# KiCad board video-v10.kicad_pcb (continued)
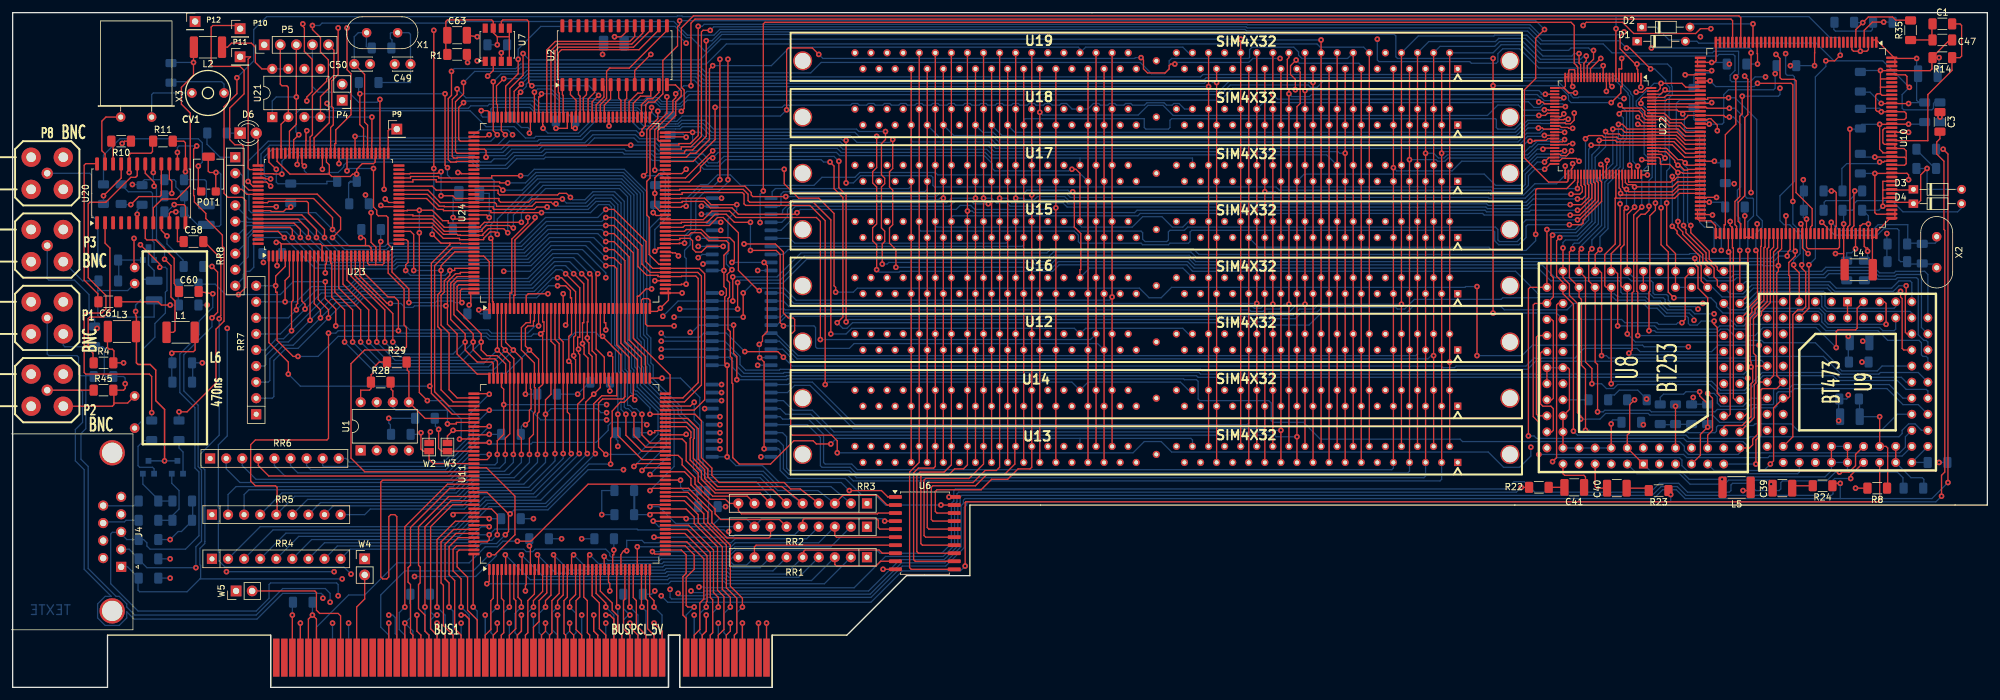
[diagram p0: board, top side]
## Routing (per net, layer and track width the routed paths; a pad name or vN(x,y) marks a point on that pad's centre or on a via; arc(x,y) is an arc through that point) (continued)
GND: length 760.4
  top_copper w0.2: 48.95,68.33 48.9,68.45 48.9,69.85 ; v1(93.73,56.51) 93.73,57.66 93.5,57.66 93.5,59.44 ; 290.63,102.36 290.63,100.84 290.88,100.58 292.99,100.58 293.24,100.84 293.24,102.36 293.22,102.36 ; v1(246.51,95) 246.38,95.12 246.38,96.47 ; v1(44.2,11.43) BUS1.B3 44.2,2.03 ; 266.24,83.18 268.9,83.18 v1(268.91,83.19) ; v1(106.43,26.67) 106.43,26.92 103.58,26.92 ; v1(94.36,15.24) 94.36,16.43 94.16,16.64 94.16,18.16 ; v1(291.21,31.5) 292.99,31.5 ; v1(101.35,10.16) 102.62,8.89 BUS1.B49 102.62,2.03 ; 22.23,82.93 v1(22.23,81.41) ; 48.95,84.33 v1(48.95,81.91) ; 112.78,2.03 BUS1.B57 112.78,8.25 113.41,8.89 v1(113.41,10.16) ; 42.44,70.1 42.19,70.36 v1(41.66,70.36) ; 42.44,70.1 42.44,68.33 ; 42.44,70.1 48.64,70.1 48.9,69.85 ; 77.22,98.93 v1(77.22,100.33) ; v1(251.97,83.31) 251.97,82.68 251.84,82.56 251.84,81.03 ; POT1.1 32.1,81.37 v1(32.13,81.41) 31.12,81.41 30.91,81.61 30.91,83.82 ; 299.21,83.57 298.96,83.82 297.81,83.82 297.43,83.85 v1(294.26,83.85) ; 299.21,83.57 299.21,82.8 298.96,82.55 297.43,82.55 ; 299.21,83.57 299.21,84.84 298.85,85.19 297.43,85.19 297.43,85.85 295.78,85.85 295.53,86.11 295.53,88.14 295.78,88.39 297.43,88.39 ; v1(17.78,48.01) 17.78,47.24 17.53,46.99 16,46.99 16,44.96 ; 72.39,68.2 74.42,68.2 75.31,67.31 75.31,59.44 ; v1(252.73,95) 252.33,95.39 U22.11 ; v1(104.52,57.15) 100.32,57.15 100,57.47 100,59.44 ; 16,44.96 18.17,44.96 L6.3 ; 16,44.96 16,44.7 15.75,44.45 P2.2 ; v1(25.78,75.18) 25.02,75.18 24.76,74.93 24.76,73.28 ; v1(41.66,81.91) 40.49,83.06 40.49,84.33 ; v1(75.31,87.38) 74.73,87.05 72.39,87.05 ; 81.15,18.16 81.15,16.26 81.03,16.13 v1(81.03,15.24) ; 295.53,77.34 295.53,78.64 ; 295.53,77.34 v1(295.53,76.07) 296.42,76.07 297.43,76.05 ; 295.53,77.34 297.43,77.34 ; 295.53,78.64 300.23,78.64 300.23,78.61 D3.1 ; 295.53,78.64 295.53,80.01 296.67,80.01 ; 75.95,2.03 BUS1.B28 75.95,8.25 76.58,8.89 v1(76.58,10.16) ; 103.53,75.31 102.24,75.31 101.47,76.07 v1(101.47,78.1) 101.47,80.56 102.15,81.23 105.75,81.23 v1(106.43,81.91) ; v1(137.54,18.67) 139.32,18.67 ; v1(95.11,102.87) 96.18,102.87 97.03,103.72 97.03,104.65 ; v1(269.37,88.01) 269.37,88.9 268.35,89.92 267.97,89.92 267.84,89.79 267.59,89.79 267.59,89.69 266.24,89.69 ; v1(84.2,10.16) 84.2,8.89 83.57,8.25 BUS1.B34 83.57,2.03 ; v1(81.03,41.53) 81.66,42.16 81.66,43.81 81.91,44.07 81.91,47.12 81.81,47.22 81.81,49.35 ; v1(106.43,40) 106.43,39.93 103.58,39.93 ; 243.59,88.77 244.48,88.77 244.72,88.53 245.74,88.53 245.88,88.39 v1(246.51,88.39) ; v1(54.99,71.12) 55.5,71.12 55.75,70.87 55.75,69.85 ; 297.43,96.19 295.15,96.19 ; 295.15,96.19 295.15,94.89 ; 295.15,96.19 295.15,97.51 ; 55.75,69.85 56.26,69.85 56.64,69.47 56.64,68.45 56.74,68.33 ; 55.75,69.85 48.9,69.85 ; 291.92,71.17 291.92,73.02 292.1,73.02 292.35,73.28 v1(293.24,73.28) 293.24,71.25 ; 295.15,97.51 v1(295.15,97.54) ; 295.15,97.51 303.02,97.51 303.28,97.76 303.28,99.57 ; 291.92,102.36 291.92,100.58 ; 243.59,83.26 244.48,83.26 244.84,83.63 247.08,83.63 v1(247.53,83.19) ; v1(105.21,68.22) 104.73,68.69 104.26,68.69 104.2,68.75 103.23,68.75 ; 88.65,2.03 BUS1.B38 88.65,8.25 88.01,8.89 v1(88.01,10.16) ; v1(81.66,87.63) 81.81,87.63 81.81,90.63 ; 60.96,76.66 59.44,76.66 v1(58.88,77.22) ; v1(70.36,81.41) 70.74,81.41 70.87,81.28 70.87,81.2 72.39,81.2 ; 295.15,94.89 297.43,94.89 ; 295.15,94.89 295.15,93.85 ; 284.76,102.36 284.76,100.33 284.73,100.33 v1(284.73,98.3) ; v1(257.28,94.91) 257.28,95.54 257.33,95.58 257.33,96.52 ; 297.43,93.6 295.4,93.6 295.15,93.85 ; 98.81,2.03 BUS1.B46 98.81,8.25 97.54,9.53 v1(97.54,10.16) ; v1(66.01,40.39) 65.81,40.19 W2.1 ; v1(75.31,74.29) 74.9,74.7 72.39,74.7 ; v1(304.42,99.57) 303.28,99.57 ; 303.28,99.57 306.07,102.36 306.58,102.36 ; 297.43,89.69 297.56,89.79 298.96,89.79 299.21,90.04 299.21,90.75 298.96,91.01 v1(295.28,91.01) 294.64,91.06 294.39,91.31 294.39,93.6 294.64,93.85 295.15,93.85 ; v1(94.36,52.7) 94.82,52.25 94.82,49.35 ; 87,59.44 v1(87,62.23) ; 266.24,77.34 267.59,77.34 267.72,77.47 v1(269.24,77.47) ; 72.39,40.59 69.6,40.59 v1(69.6,40.64) 68.71,39.75 W3.1 ; 275.01,71.17 273.71,71.17 v1(273.71,74.55) ; 38.86,76 v1(41.66,76) ; 68.33,2.03 BUS1.B22 68.33,8.25 67.06,9.53 v1(67.06,10.16) ; v1(283.46,74.04) 283.46,69.6 283.72,69.34 288.42,69.34 288.67,69.6 288.67,71.17 ; v1(106.43,86.99) 106.43,87.05 103.58,87.05 ; 266.24,97.51 v1(268.48,97.51) ; 280.21,71.17 v1(280.21,74.55) ; 59.44,2.03 BUS1.B15 v1(59.44,10.16) ; v1(275.72,98.55) 275.72,100.2 275.67,100.2 275.67,102.36 ; v1(73.41,102.87) 71.82,103.1 ; v1(84.58,62.23) 81.47,62.23 81.15,61.91 81.15,59.44 ; v1(61.98,10.16) BUS1.B17 61.98,2.03 ; 259.05,83.31 257.56,83.31 v1(257.43,83.44) ; v1(94.23,88.77) 94.23,89.28 94.16,89.28 94.16,90.63 ; v1(256.79,89.03) 257.05,89.03 257.3,88.77 259.08,88.77 ; v1(85.85,88.39) 87.66,88.39 87.66,90.63 ; v1(73.66,59.69) 75.31,59.69 ; 58.7,84.33 v1(58.7,78.74) ; v1(69.6,27.31) 69.6,27.58 72.39,27.58
  In1.Cu w0.2: v1(257.68,41.53) 257.68,41.66 ; 304.17,35.56 v1(304.42,35.56) ; v1(296.16,71.75) 296.16,73.02 295.91,73.28 v1(293.24,73.28) ; v1(292.23,51.43) 292.23,53.59 292.35,53.72 v1(292.35,54.74) ; L6.3 20.39,62.74 29.72,62.74 30.73,61.72 v1(30.73,60.45) 30.73,59.18 30.48,58.93 30.48,51.82 v1(29.97,51.31) ; 247.52,83.19 v1(247.53,83.19) ; v1(280.21,74.55) 280.16,74.55
  Bottom w0.2: 109.73,31.11 109.98,30.86 109.98,26.92 109.73,26.67 v1(106.43,26.67) ; v1(29.97,51.31) 28.45,51.31 28.45,48.26 ; v1(295.15,97.54) 291.97,97.54 291.97,97.41 ; 95.38,40.26 95.38,39.24 95.63,38.99 v1(95.63,38.1) ; 87.38,2.03 BUS1.A37 87.38,8.25 88.01,8.89 v1(88.01,10.16) ; 73.7,78.1 75.31,78.1 v1(75.31,74.29) 75.31,73.66 74.04,72.39 72.77,72.39 ; v1(84.2,10.16) 84.2,8.89 84.84,8.25 BUS1.A35 84.84,2.03 ; 13.46,62.74 18.17,62.74 L6.3 ; 13.46,62.74 13.46,64.26 11.05,64.26 P3.2 ; 13.46,62.74 13.46,58.8 13.72,58.55 22.35,58.55 22.35,60.96 ; v1(17.78,48.01) 17.78,48.89 17.53,49.15 14.73,49.15 14.48,49.4 14.48,53.59 14.22,53.85 8.25,53.85 8,54.1 P1.2 ; 75.06,59.05 73.91,59.05 73.66,59.31 v1(73.66,59.69) ; v1(293.24,73.28) 293.24,74.55 292.35,75.44 294.89,75.44 v1(295.53,76.07) ; 22.23,80.26 20.83,80.26 20.57,80.01 20.57,79.63 20.45,79.5 v1(18.92,79.5) ; 22.23,80.26 v1(22.23,81.41) ; 22.23,80.26 25.53,80.26 25.78,80.01 25.78,79.12 27.18,77.72 27.18,75.18 ; v1(112.01,62.36) 110.36,62.36 ; 291.97,84.45 291.97,83.85 v1(294.26,83.85) ; 101.35,2.03 BUS1.A48 v1(101.35,10.16) ; 101.6,79.5 101.47,79.5 v1(101.47,78.1) ; v1(81.66,87.63) 81.66,88.26 81.41,88.52 80.39,88.52 78.87,90.04 78.87,90.17 ; 111.51,2.03 BUS1.A56 v1(111.51,10.16) ; 296.16,67.31 v1(296.16,71.75) ; v1(268.48,97.51) 268.48,97.15 265.94,97.15 265.68,96.9 265.68,94.87 ; 54.99,72.39 v1(54.99,71.12) ; v1(25.78,75.18) 27.18,75.18 ; 27.18,75.18 29.46,72.9 32.64,72.9 32.89,73.15 32.89,81.15 32.64,81.41 v1(32.13,81.41) ; 291.97,91.57 295.02,91.57 295.28,91.31 v1(295.28,91.01) ; v1(41.66,70.36) 42.16,70.36 42.42,70.1 42.42,68.83 42.67,68.58 ; 293.37,51.43 v1(292.23,51.43) ; 274.07,98.55 v1(275.72,98.55) ; 62.74,14.73 62.74,13.33 62.87,13.21 62.87,11.05 v1(61.98,10.16) 63.25,8.89 BUS1.A18 63.25,2.03 ; 258.19,45.47 v1(258.19,45.59) 256.79,46.99 253.87,46.99 253.11,46.23 252.48,46.23 252.22,45.97 252.22,45.47 ; v1(106.43,101.85) 105.41,102.87 v1(95.11,102.87) ; 304.42,97.03 v1(304.42,99.57) ; v1(280.92,98.3) v1(284.73,98.3) ; 80.39,26.67 v1(82.3,26.67) ; CV1.2 33.4,95.38 33.02,95.76 25.02,95.76 25.02,95.5 ; 273.81,75.95 273.71,75.82 v1(273.71,74.55) ; 51.18,80.01 49.66,80.01 49.66,79.63 41.91,79.63 41.66,79.88 v1(41.66,81.91) ; 86.11,46.35 v1(89.28,46.35) 91.19,48.26 ; 267.84,44.77 265.31,44.77 265.31,45.6 v1(265.56,45.85) ; 28.45,29.46 28.45,26.42 26.67,24.64 26.16,24.64 v1(24.89,23.37) 23.11,23.37 ; v1(93.73,10.16) BUS1.A42 93.73,2.03 ; v1(292.35,54.74) 293.62,54.74 293.62,54.61 ; 95,27.31 v1(93.09,27.31) 93.09,31.11 95.05,31.11 ; 78.49,2.03 BUS1.A30 v1(78.49,10.16) ; 85.72,89.53 85.72,88.39 v1(85.85,88.39) ; v1(44.2,11.43) 44.2,13.46 ; v1(268.91,83.19) 269.17,82.93 270.64,82.93 ; 23.11,20.32 v1(24.89,20.32) ; 99.69,14.73 100.97,14.73 v1(101.47,15.24) ; 91.82,23.5 v1(89.92,23.5) ; 80.39,40 80.39,41.27 80.65,41.53 v1(81.03,41.53) ; v1(70.87,10.16) BUS1.A24 70.87,2.03 ; 84.78,23.5 v1(86.74,23.5) ; v1(282.96,80.26) 282.96,74.29 283.21,74.04 v1(283.46,74.04) ; v1(106.43,86.99) 105.92,87.5 103.89,87.5 103.89,87.25 ; 29.46,60.45 v1(30.73,60.45) ; v1(112.01,77.34) 110.36,77.34 ; v1(24.89,17.27) 23.11,17.27 ; v1(112.01,47.88) 110.36,47.88 ; 78.23,101.6 78.23,101.35 v1(77.22,100.33) ; v1(304.42,35.56) 305.82,35.56 ; 257.43,41.91 257.68,41.66 v1(257.68,41.53) 257.43,41.91
  vias: v1(291.97,100.58)
+5F: length 43.9
  top_copper w0.23: v1(19.43,59.44) 19.43,58.8 19.56,58.67 19.56,51.31 19.81,51.05 21.72,51.05 22.61,50.16 22.61,45.34 24,43.94 v1(24,35.81)
  Bottom w0.23: v1(19.43,59.44) 19.43,60.45 20.45,61.47 20.45,64.26 20.7,64.52 22.35,64.52 22.35,65.91 21.46,66.8 21.46,69.6 ; Q1.3 v1(24,35.81) Q2.3
//PCRD: length 128.6
  top_copper w0.2: 60.96,79.91 63.25,79.91 63.25,80.26 66.93,80.26 66.93,79.91 76.96,79.91 76.96,79.76 v1(78.23,79.76) ; RR3.7 118.11,30.73 111,30.73 108.84,32.89 108.84,34.16 107.06,35.94 107.06,39.37 107.19,39.5 107.19,40.39 106.43,41.22 103.58,41.22
  Bottom w0.2: RR3.7 119.76,30.23 117.47,32.51 109.35,32.51 107.57,34.29 107.57,40.77 105.16,43.18 105.16,44.07 100.71,48.51 100.71,50.8 100.33,51.18 100.33,55.12 99.69,55.75 99.69,78.23 96.52,81.41 82.68,81.41 81.03,79.76 v1(78.23,79.76)
//PCWR: length 138.1
  top_copper w0.2: v1(80.26,80.9) 75.69,80.9 75.69,80.54 67.31,80.54 67.31,80.77 62.87,80.77 62.87,80.54 60.96,80.54 ; RR3.5 121.54,31.75 111.38,31.75 109.86,33.27 109.86,34.54 108.33,36.07 108.33,40.89 106.68,42.52 103.58,42.52
  Bottom w0.2: RR3.5 122.81,30.48 120.78,30.48 118.11,33.15 109.6,33.15 108.08,34.67 108.08,41.02 105.66,43.43 105.66,44.32 101.22,48.77 101.22,50.93 100.84,51.31 100.84,55.24 100.2,55.88 100.2,78.36 96.65,81.91 82.42,81.91 81.41,80.9 v1(80.26,80.9)
/ACCES_RAM-: length 264.3
  top_copper w0.2: 148.97,28.83 v1(146.69,28.83) ; 247.32,96.52 247.32,98.04 247.14,98.22 247.14,98.3 246.76,98.68 246.76,104.65 246.25,105.16 118.87,105.16 118.62,104.9 v1(118.62,78.49) ; v1(118.05,52.13) 118.75,51.43 v1(118.75,37.72) ; v1(113.66,67.18) 114.05,67.56 114.05,70.36 113.28,71.12 110.11,71.12 108.84,72.39 106.45,72.39 106.17,72.11 103.58,72.11 ; v1(118.75,67.18) 119.25,66.67 119.25,56.26 118.49,55.5 118.49,54.74 v1(117.98,54.23)
  In2.Cu w0.2: v1(118.75,67.18) 118.11,67.82 v1(118.11,73.49)
  Bottom w0.2: 119.95,52.13 v1(118.05,52.13) 117.98,52.2 v1(117.98,54.23) ; v1(118.75,37.72) 121.03,37.72 121.28,37.46 121.28,34.29 122.56,33.02 131.57,33.02 134.11,30.48 136.27,30.48 137.92,28.83 v1(146.69,28.83) ; 120.02,67.18 v1(118.75,67.18) v1(113.66,67.18) ; v1(118.62,78.49) 118.11,77.97 v1(118.11,73.49)
/ACQ_ON: length 191.6
  top_copper w0.2: 103.58,66.9 102.11,66.9 100.58,68.43 100.58,74.29 100.2,74.68 100.2,80.01 100.71,80.52 100.71,88.1 103.38,90.77 v1(103.38,93.37) ; v1(251.33,98.3) 251.33,96.52
  In2.Cu w0.2: v1(103.38,93.37) 103.38,94 113.14,103.76 214.38,103.76 v1(215.65,102.49)
  Bottom w0.2: v1(215.65,102.49) 215.65,99.19 215.9,98.93 230.25,98.93 230.5,98.68 234.44,98.68 234.7,98.93 234.7,100.2 235.46,100.97 238.12,100.97 241.17,97.92 250.82,97.92 251.21,98.3 v1(251.33,98.3)
/ADR2: length 84.5
  top_copper w0.2: 60.96,81.2 62.74,81.2 62.81,81.28 67.18,81.28 67.44,81.53 v1(67.69,81.53) ; v1(86.87,77.22) 82.04,77.22 81.53,76.71 77.09,76.71 76.84,76.96 76.84,77.29 69.98,77.29 69.55,77.72 v1(67.69,77.72) ; 103.58,38.63 100.71,38.63 99.44,39.9 v1(99.44,43.18)
  Bottom w0.2: v1(99.44,43.18) 98.55,44.07 98.04,44.07 97.54,44.58 97.16,44.58 97.16,49.91 96.77,50.29 96.77,53.72 96.14,54.36 96.14,76.58 94.87,77.85 91.82,77.85 90.55,76.58 87.5,76.58 v1(86.87,77.22) ; v1(67.69,77.72) v1(67.69,81.53)
/ADR3: length 81.3
  top_copper w0.2: 60.96,78.61 65.66,78.61 67.56,76.66 76.2,76.66 76.45,76.4 76.45,76.07 82.04,76.07 82.68,76.71 85.09,76.71 85.34,76.45 v1(85.85,76.45) ; 103.58,37.97 100.08,37.97 98.17,39.88 v1(98.17,43.18)
  Bottom w0.2: v1(98.17,43.18) 97.28,44.07 96.9,44.07 96.65,44.32 96.65,49.78 96.27,50.16 96.27,53.59 95.63,54.23 95.63,76.33 94.62,77.34 92.08,77.34 90.81,76.07 86.23,76.07 v1(85.85,76.45)
/ADR4: length 81.2
  top_copper w0.2: 103.58,37.34 99.44,37.34 96.9,39.88 v1(96.9,43.18) ; 60.96,77.95 65.53,77.95 67.41,76.07 68.2,76.07 68.2,76 75.95,76 75.95,75.69 76.07,75.56 82.42,75.56 82.8,75.95 v1(84.46,75.95)
  Bottom w0.2: v1(96.9,43.18) 96.14,43.94 96.14,49.53 95.76,49.91 95.76,53.47 95.12,54.1 95.12,76.07 94.36,76.83 92.2,76.83 90.93,75.56 84.84,75.56 v1(84.46,75.95)
/ADR5: length 81.6
  top_copper w0.2: 103.58,36.02 99.44,36.02 95.63,39.83 v1(95.63,43.18) ; v1(83.57,75.06) 75.56,75.06 75.56,75.36 68.07,75.36 68.07,75.56 67.13,75.56 65.41,77.29 60.96,77.29
  Bottom w0.2: v1(83.57,75.06) 91.31,75.06 92.58,76.33 94.23,76.33 94.62,75.95 94.62,53.97 95.25,53.34 95.25,49.78 95.63,49.4 v1(95.63,43.18)
/ADR6: length 54.8
  top_copper w0.2: v1(64.26,71.88) 64.26,46.61 v1(65.53,45.34) ; 60.96,75.36 62.36,75.36 62.36,75.44 v1(64.26,75.44) 66.29,75.44 67.94,73.79 68.83,73.79 68.83,73.41 72.39,73.41 ; 72.39,39.27 70.64,39.27 v1(70.61,39.24)
  Bottom w0.2: v1(65.53,45.34) 67.94,45.34 70.87,42.42 70.87,39.5 v1(70.61,39.24) ; v1(64.26,71.88) v1(64.26,75.44)
/BE-0: length 107
  top_copper w0.2: 60.96,74.7 63.25,74.7 63.25,74.55 66.42,74.55 68.2,72.75 73.91,72.75 73.91,72.9 74.55,73.53 v1(80.39,73.53) ; v1(93.73,36.83) 92.58,37.97 92.58,44.96 93.22,45.59 96.39,45.59 96.75,45.95 96.75,49.35
  Bottom w0.2: v1(80.39,73.53) 80.39,75.06 84.2,78.87 95.89,78.87 97.16,77.6 97.16,54.61 97.79,53.97 97.79,50.55 98.17,50.16 98.17,47.12 98.43,46.86 98.68,46.86 101.98,43.56 101.98,40 98.81,36.83 v1(93.73,36.83)
/BE-1: length 95.2
  top_copper w0.2: 60.96,74.04 66.29,74.04 68.2,72.11 74.17,72.11 74.17,72.39 74.8,73.02 78.49,73.02 78.87,72.64 v1(79.12,72.64) ; 103.58,35.38 98.63,35.38 v1(98.17,34.92)
  Bottom w0.2: v1(79.12,72.64) 79.12,74.68 83.82,79.38 96.01,79.38 97.66,77.72 97.66,54.74 98.3,54.1 98.3,50.67 98.68,50.29 98.68,47.5 102.62,43.56 102.62,39.37 v1(98.17,34.92)
/BE-2: length 96.3
  top_copper w0.2: 103.58,34.72 99.87,34.72 v1(99.44,34.29) ; v1(78.23,71.88) 77.6,72.52 75.18,72.52 74.29,71.63 74.29,71.45 70.74,71.45 70.74,71.5 70.36,71.5 70.23,71.63 68.07,71.63 66.29,73.41 60.96,73.41
  Bottom w0.2: v1(78.23,71.88) 78.23,74.8 83.31,79.88 96.14,79.88 98.17,77.85 98.17,54.99 98.81,54.36 98.81,50.8 99.19,50.42 99.19,47.75 103.25,43.69 103.25,38.1 v1(99.44,34.29)
/BE-3: length 96.4
  top_copper w0.2: v1(100.71,33.66) 100.71,33.43 103.58,33.43 ; 60.96,72.75 66.29,72.75 68.05,70.99 70.61,70.99 70.61,70.79 74.42,70.79 74.42,70.99 75.44,72.01 76.2,72.01 v1(76.58,71.63)
  Bottom w0.2: v1(76.58,71.63) 76.58,74.04 82.93,80.39 96.27,80.39 98.68,77.98 98.68,55.24 99.31,54.61 99.31,50.93 99.69,50.55 99.69,48.01 103.89,43.81 103.89,36.83 v1(100.71,33.66)
/BLANK-: length 301.3
  top_copper w0.2: v1(111.76,99.31) v1(111.76,80.26) ; v1(254.25,99.44) 254.25,97.79 253.82,97.79 253.82,96.52 ; v1(281.43,66.8) 281.43,66.42 282.32,65.53 U9.7 ; 103.58,70.15 105.41,70.15 105.33,70.23 v1(106.17,70.23)
  In1.Cu w0.2: v1(111.76,99.31) 113.66,101.22 113.66,105.03 114.43,105.79 245.87,105.79 246.13,106.17 278.64,106.17 280.16,104.65 v1(280.16,100.2)
  In2.Cu w0.2: v1(276.99,96.52) 277.37,96.14 277.37,93.98 277.62,93.73 279.91,93.73 280.16,93.98 v1(280.16,100.2)
  Bottom w0.2: v1(276.99,96.52) 275.34,96.52 274.57,95.76 271.65,95.76 271.4,96.01 271.4,96.77 272.16,97.54 272.16,99.82 271.91,100.08 269.62,100.08 269.37,99.82 254.63,99.82 v1(254.25,99.44) ; v1(280.16,100.2) 280.16,97.03 280.42,96.77 281.31,96.77 281.56,96.52 281.56,80.01 279.27,77.72 279.27,73.79 279.91,73.15 280.8,73.15 282.45,71.5 282.45,68.58 281.43,67.56 v1(281.43,66.8) ; v1(111.76,80.26) 110.49,78.99 108.97,78.99 107.19,77.22 107.19,72.39 106.17,71.37 v1(106.17,70.23)
/BLUE_IN: length 298.3
  top_copper w0.2: 239.52,31.62 v1(238.38,31.62)
  In2.Cu w0.2: v1(33.91,56.77) v1(13.34,56.77) ; v1(108.46,15.88) 107.19,17.14 104.27,17.14 103.89,17.53 75.95,17.53 75.82,17.65 73.66,17.65 72.77,16.76 59.82,16.76 57.53,19.05 54.74,19.05 53.59,17.91 v1(53.47,17.91)
  Bottom w0.2: P3.1 5.46,64.64 5.71,64.39 9.78,64.39 12.07,62.1 12.07,59.05 12.95,58.17 12.95,57.15 v1(13.34,56.77) ; v1(33.91,56.77) 33.91,39.75 32.51,38.35 32.51,28.41 32.54,28.41 32.6,28.35 32.6,26.26 32.54,26.2 32.51,26.2 32.51,21.42 32.54,21.42 32.6,21.36 32.6,19.98 33.53,19.05 52.32,19.05 v1(53.47,17.91) ; v1(238.38,31.62) 237.62,30.86 149.48,30.86 149.22,30.61 149.22,29.34 148.84,28.96 148.84,22.48 147.07,20.7 137.92,20.7 132.97,15.75 109.35,15.75 109.22,15.88 v1(108.46,15.88)
/BLUE_OUT: length 373.4
  top_copper w0.2: U9.39 295.02,29.59 294.77,29.34 150.62,29.34 150.51,29.23 v1(150.51,19.18) ; v1(31.62,62.23) 29.43,62.59
  In2.Cu w0.2: v1(102.49,14.48) v1(51.43,14.48)
  Bottom w0.2: v1(51.43,14.48) 51.43,16.26 51.18,16.51 40.77,16.51 40.51,16.26 40.51,14.1 38.48,12.06 19.81,12.06 15.49,16.38 15.49,24.26 15.75,24.51 16.89,24.51 18.03,23.37 20.69,23.37 21.21,22.85 21.21,22.35 21.72,21.84 27.3,21.84 29.44,23.98 29.44,34.06 28.81,34.69 28.81,44.22 26.42,46.61 26.42,52.7 29.46,55.75 29.46,57.91 31.62,60.07 v1(31.62,62.23) ; v1(102.49,14.48) 103.5,13.46 135.64,13.46 140.59,18.41 149.75,18.41 v1(150.51,19.18)
/BPCLK: length 60.3
  top_copper w0.2: 72.39,34.09 55.63,34.09 53.47,36.25 53.47,51.18 55.63,53.34 61.72,53.34 62.23,53.85 62.23,56.9 61.85,57.28 61.85,62.99 59.33,65.51 59.33,68.33
/BT812_RD-: length 295.8
  top_copper w0.2: v1(45.85,104.9) 45.85,104.52 46.1,104.27 46.1,100.54 47.33,99.31 47.33,94.18 46.48,93.34 v1(46.48,92.71) ; v1(46.48,88.01) 46.35,87.88 46.35,86.49 46.33,86.49 46.33,84.33 ; v1(273.3,93.47) 273.3,90.68 272.92,90.3 272.92,77.6 272.16,76.83 272.16,73.15 272.42,72.9 272.42,71.17
  In2.Cu w0.2: v1(46.48,88.01) 47.37,88.9 47.37,91.82 v1(46.48,92.71) ; v1(279.27,94.74) 279.27,97.41 277.75,98.93 277.75,100.84 278,101.09 278,103.63 275.46,106.17 246.63,106.17 246.51,106.04 105.86,106.04 105.75,106.15 47.09,106.15 v1(45.85,104.9)
  Bottom w0.2: v1(279.27,94.74) 279.27,93.73 279.02,93.47 v1(273.3,93.47)
/BT812_WR-: length 281.5
  top_copper w0.2: v1(272.29,96.52) 272.29,89.03 270.64,87.38 270.64,73.15 270.46,73.15 270.46,71.17 ; 46.99,84.33 46.99,86.99 47.37,87.38 47.37,93.6 49.62,95.85 49.62,96.22 49.89,96.49 49.89,99.2 49.89,99.21 48.64,100.46 48.64,102.74 47.37,104.01 v1(47.37,104.65)
  Bottom w0.2: v1(47.37,104.65) 48.51,104.65 48.9,105.03 68.58,105.03 68.83,105.28 104.47,105.28 106.63,103.12 110.82,103.12 111.73,104.03 194.74,104.03 195.02,103.76 239.39,103.76 241.43,101.73 251.33,101.73 252.73,100.33 268.61,100.33 268.86,100.58 272.67,100.58 272.73,100.52 272.73,96.96 v1(272.29,96.52)
/buspci.sch/EA1: length 23.4
  top_copper w0.2: 103.58,34.09 106.17,34.09 107.19,33.04 107.19,32 111,28.19 111,27.43 111.89,26.54 121.16,26.54 RR2.6
/buspci.sch/EA2: length 20.3
  top_copper w0.2: 103.58,39.27 105.79,39.27 106.43,38.63 106.43,35.81 108.33,33.91 108.33,32.51 110.62,30.23 116.08,30.23 RR3.8
/buspci.sch/EA3: length 27.7
  top_copper w0.2: RR3.6 120.14,31.24 111.12,31.24 109.35,33.02 109.35,34.42 107.57,36.19 107.57,39.24 107.7,39.37 107.7,40.77 106.55,41.88 103.58,41.88
/buspci.sch/EA4: length 45.8
  top_copper w0.2: 100.66,48.89 v1(102.62,48.89)
  Bottom w0.2: v1(102.62,48.89) 105.54,48.89 108.59,45.85 108.59,42.42 109.09,41.91 109.09,35.18 110.11,34.16 118.62,34.16 121.03,31.75 129.29,31.75 RR3.2
/buspci.sch/EA5: length 75.2
  top_copper w0.2: 95.45,49.35 95.45,46.1 93.09,46.1 91.82,44.83 91.82,37.21 v1(92.08,36.96)
  Bottom w0.2: v1(92.08,36.96) 84.2,29.08 75.06,29.08 70.36,24.38 43.18,24.38 RR4.4
/buspci.sch/EA6: length 75.3
  top_copper w0.2: v1(89.53,36.96) 89.28,37.21 89.28,44.75 90.25,45.72 90.25,49.35
  Bottom w0.2: v1(89.53,36.96) 82.68,30.1 74.55,30.1 69.85,25.4 39.12,25.4 RR4.2
/buspci.sch/EA7: length 53.3
  top_copper w0.2: v1(88.27,36.96) 88.01,37.21 88.01,43.18 87.66,43.54 87.66,49.35
  Bottom w0.2: v1(88.27,36.96) 88.27,36.58 82.3,30.61 73.79,30.61 71.37,28.19 56.51,28.19 55.63,27.31 RR5.9
/buspci.sch/EA9: length 63.1
  top_copper w0.2: 79.86,49.35 79.86,39.9 80.39,39.37 v1(80.39,36.83)
  Bottom w0.2: RR5.3 36.58,30.48 37.34,31.24 69.85,31.24 72.26,33.66 78.49,33.66 80.39,35.56 v1(80.39,36.83)
/buspci.sch/EA10: length 33.6
  top_copper w0.2: 72.39,46.43 75.31,46.43 v1(75.31,46.35)
  Bottom w0.2: RR6.9 52.66,36.19 53.26,35.59 68.11,35.59 72.14,39.62 72.14,43.18 v1(75.31,46.35)
/buspci.sch/EA11: length 36.1
  top_copper w0.2: v1(75.31,41.27) 75.31,41.22 72.39,41.22
  Bottom w0.2: v1(75.31,41.27) 68.45,34.42 47.09,34.42 46.45,35.06 RR6.7
/buspci.sch/EA12: length 40.7
  top_copper w0.2: 72.39,36.02 74.99,36.02 75.31,36.33 v1(75.31,36.83)
  Bottom w0.2: RR6.5 41.37,35.06 43.03,33.4 68.96,33.4 72.39,36.83 v1(75.31,36.83)
/buspci.sch/EA13: length 35.4
  top_copper w0.2: RR6.4 38.83,35.06 40.46,33.43 72.39,33.43
/buspci.sch/EA14: length 36.6
  top_copper w0.2: 72.39,28.22 75.67,28.22 76.58,27.31 v1(76.58,24.13)
  Bottom w0.2: v1(76.58,24.13) 75.69,23.24 73.66,23.24 72.77,22.35 51.31,22.35 RR4.8
/buspci.sch/EA15: length 36.4
  top_copper w0.2: v1(75.31,25.4) 75.31,25.63 72.39,25.63
  Bottom w0.2: v1(75.31,25.4) 74.04,25.4 72.01,23.37 47.24,23.37 RR4.6
/buspci.sch/EQ0: length 61.5
  top_copper w0.2: 75.31,18.16 75.31,16.76 v1(74.93,16.38)
  Bottom w0.2: RR1.2 128.27,16.38 112.78,16.38 112.4,16.76 104.01,16.76 103.63,16.38 v1(74.93,16.38)
/buspci.sch/EQ1: length 52.9
  top_copper w0.2: 80.49,18.16 80.49,20.95 v1(80.39,20.95)
  Bottom w0.2: RR1.4 124.21,17.4 113.16,17.4 112.78,17.78 103.63,17.78 103.38,17.53 83.82,17.53 v1(80.39,20.95)
/buspci.sch/EQ2: length 42
  top_copper w0.2: v1(85.47,20.95) 85.7,20.95 85.7,18.16
  Bottom w0.2: v1(85.47,20.95) 87.88,18.54 103,18.54 103.25,18.8 113.16,18.8 113.54,18.41 120.14,18.41 RR1.6
/buspci.sch/EQ3: length 36
  top_copper w0.2: v1(88.65,20.95) 88.32,20.95 88.32,18.16
  Bottom w0.2: v1(88.65,20.95) 90.55,19.05 102.74,19.05 103,19.3 113.41,19.3 113.79,18.92 118.11,18.92 RR1.7
/buspci.sch/EQ4: length 24.2
  top_copper w0.2: 93.5,18.16 93.47,18.16 v1(93.47,20.7)
  Bottom w0.2: RR1.9 113.79,20.57 113.54,20.32 102.49,20.32 102.24,20.07 94.11,20.07 v1(93.47,20.7)
/buspci.sch/EQ5: length 37.3
  top_copper w0.2: v1(97.03,21.59) 96.52,21.59 96.11,20.95 96.11,18.16
  Bottom w0.2: v1(97.03,21.59) 97.03,23.24 99.44,23.24 99.82,22.86 113.54,22.86 114.17,23.5 125.48,23.5 RR2.4
/buspci.sch/EQ6: length 35.6
  top_copper w0.2: 103.58,21.08 101.47,21.08 v1(101.09,21.46)
  Bottom w0.2: v1(101.09,21.46) 113.36,21.46 114.12,22.22 129.29,22.22 RR2.2
/buspci.sch/EQ7: length 16.2
  top_copper w0.2: v1(101.22,26.29) 101.22,26.26 103.58,26.26
  Bottom w0.2: v1(101.22,26.29) 102.11,25.4 RR2.9
/buspci.sch/P_AD0: length 36
  top_copper w0.2: 103.58,30.84 106.71,30.84 109.86,27.69 109.86,26.03 113.41,22.48 113.41,16 115.32,14.1 v1(115.32,12.7)
  Bottom w0.2: v1(115.32,12.7) 114.43,11.81 114.43,8.64 114.05,8.25 BUS1.A58 114.05,2.03
/buspci.sch/P_AD1: length 34.5
  top_copper w0.2: 103.58,30.18 106.48,30.18 109.22,27.43 109.22,26.03 112.78,22.48 112.78,15.75 114.43,14.1 114.43,8.64 114.05,8.25 BUS1.B58 114.05,2.03
/buspci.sch/P_AD2: length 33.6
  top_copper w0.2: 103.58,29.51 106.12,29.51 108.33,27.31 108.33,26.03 112.14,22.22 112.14,15.49 113.41,14.22 v1(113.41,12.7)
  Bottom w0.2: 112.78,2.03 BUS1.A57 112.78,8.25 112.4,8.64 112.4,11.68 v1(113.41,12.7)
/buspci.sch/P_AD3: length 31.9
  top_copper w0.2: 111.51,2.03 BUS1.B56 111.51,8.25 112.4,9.14 112.4,14.35 111.38,15.37 111.38,22.22 107.7,25.91 107.7,26.92 106.4,28.22 103.58,28.22
/buspci.sch/P_AD4: length 29.3
  top_copper w0.2: 103.58,25.63 106.83,25.63 110.74,21.72 110.74,14.99 111.51,14.22 v1(111.51,12.7)
  Bottom w0.2: 110.24,2.03 BUS1.A55 110.24,8.25 110.62,8.64 110.62,11.81 v1(111.51,12.7)
/buspci.sch/P_AD5: length 27.8
  top_copper w0.2: 110.24,2.03 BUS1.B55 110.24,8.25 110.62,8.64 110.62,13.84 110.24,14.22 110.24,21.34 106.6,24.97 103.58,24.97
/buspci.sch/P_AD6: length 27
  top_copper w0.2: 103.58,24.33 106.22,24.33 109.73,20.83 109.73,13.59 109.6,13.46 v1(109.6,12.7)
  Bottom w0.2: 108.97,2.03 BUS1.A54 108.97,8.25 108.59,8.64 108.59,11.68 v1(109.6,12.7)
/buspci.sch/P_AD7: length 25.7
  top_copper w0.2: 103.58,23.01 106.53,23.01 109.22,20.32 109.22,13.97 108.59,13.33 108.59,9.14 107.7,8.25 BUS1.B53 107.7,2.03
/buspci.sch/P_AD8: length 22.5
  top_copper w0.2: 103.58,21.72 105.66,21.72 106.43,20.95 106.43,18.03 105.92,17.53 105.92,11.43 106.43,10.92 BUS1.B52 106.43,2.03
/buspci.sch/P_AD9: length 16.9
  top_copper w0.2: 100.66,18.16 100.66,14.4 101.35,13.72 v1(101.35,12.7)
  Bottom w0.2: v1(101.35,12.7) 102.62,11.43 BUS1.A49 102.62,2.03
/buspci.sch/P_AD10: length 16.7
  top_copper w0.2: 101.35,2.03 BUS1.B48 101.35,8.25 100.33,9.27 100.33,13.72 100,14.05 100,18.16
/buspci.sch/P_AD11: length 16.5
  top_copper w0.2: v1(99.44,12.7) 99.36,12.7 99.36,18.16
  Bottom w0.2: 100.08,2.03 BUS1.A47 100.08,12.06 v1(99.44,12.7)
/buspci.sch/P_AD12: length 17